# Altium PCB matrix.PcbDoc (part 4 of 5)
Units mm, origin at the board's own origin, x right, y up, seen from the top; angles counter-clockwise.
Board outline 350 x 105 mm, 2 copper layers (Top Layer, Bottom Layer), stack 1.571 mm thick; 187 components, 143 nets, 1443 pads, 602 vias.
Unrouted connection lines stored in the file: 3.
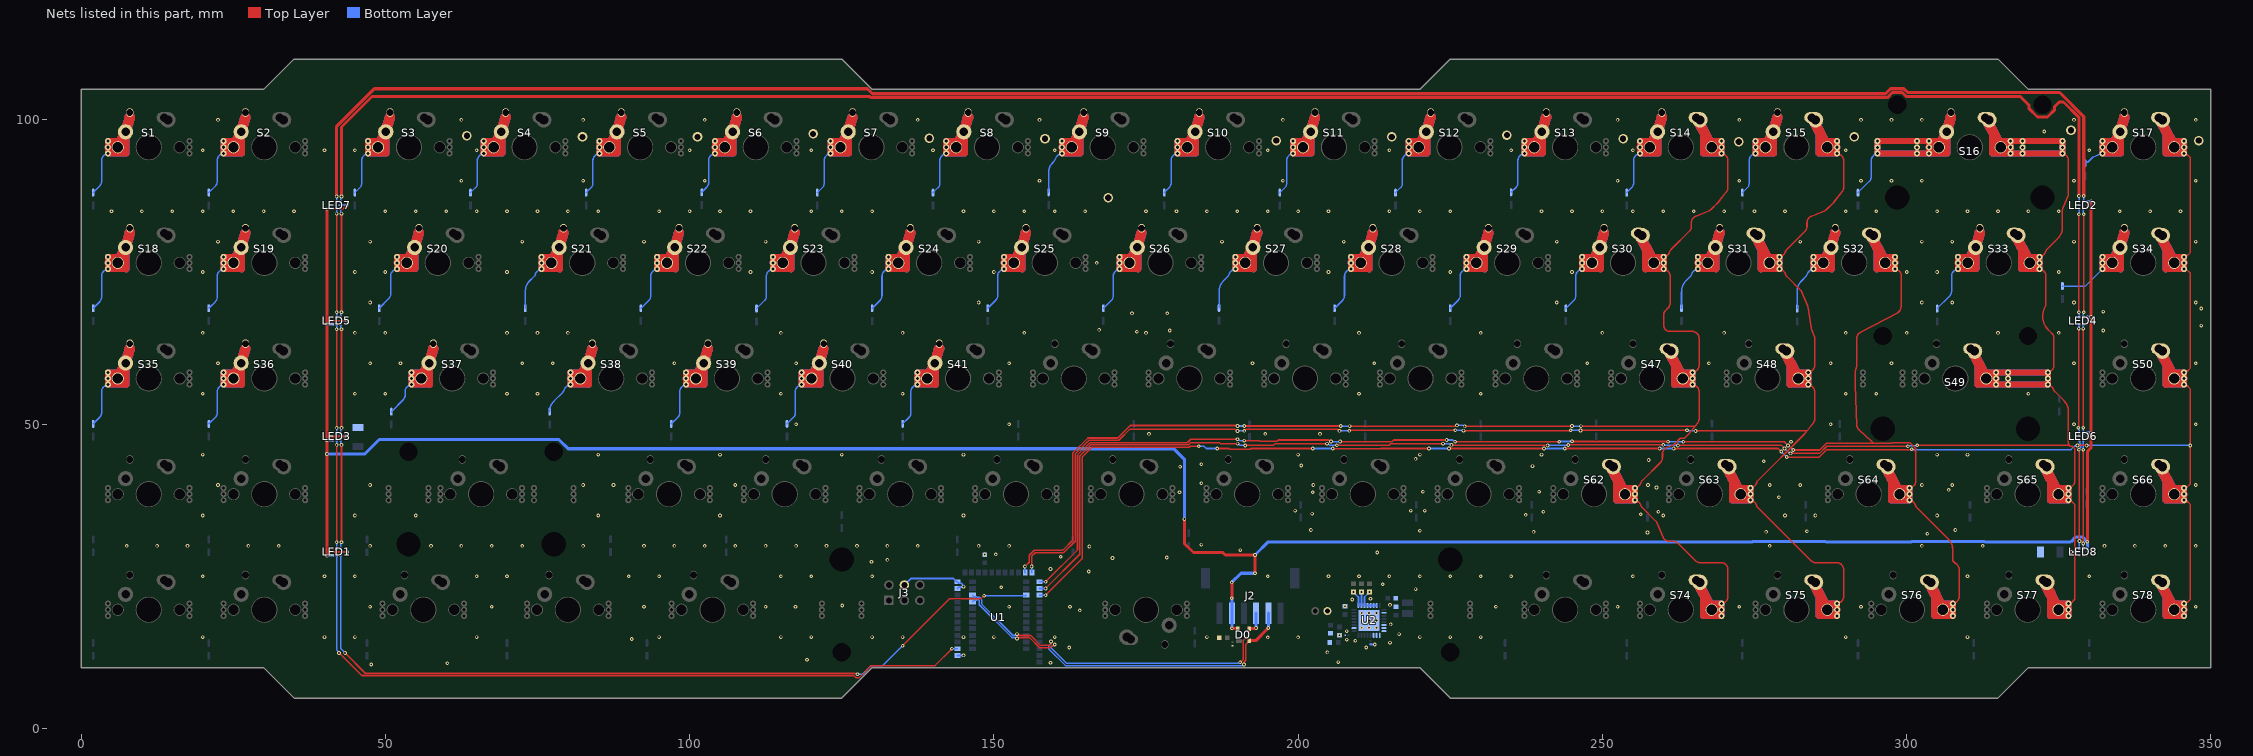
[diagram p4: the nets of this part, all layers, seen from the top]

## Via types
v1: diameter 0.6, hole 0.3, Top Layer to Bottom Layer, tented both sides, 571 vias
v2: diameter 1.57, hole 1.02, Top Layer to Bottom Layer, tented both sides, 15 vias
v3: diameter 0.61, hole 0.305, Top Layer to Bottom Layer, 9 vias
v4: diameter 0.6, hole 0.3, Top Layer to Bottom Layer, 4 vias
v5: diameter 1.27, hole 0.711, Top Layer to Bottom Layer, tented both sides, 3 vias

## Nets (pads, with @x,y where several pads share a name; then routed paths per layer and width w, separated by ;. In a path a pad name is that pad's centre, name@x,y a point inside that pad or via, vN(x,y) a via of type N, cw(c..) or ccw(c..) an arc to the next point about the centre after c; other vN are vias at no path point) (continued)
"Col 13": S14.2 S30.2 S47.2 S62.2 S74.2 U1.22 | length 224.9
  Top Layer w0.254: v1(155.1,26.6) 155.819,27.319 155.819,28.458 156.632,29.27 161.229,29.27 161.376,29.331 161.45,29.405 162.981,30.936 162.981,45.242 165.463,47.724 170.363,47.724 172.42,49.781 189.687,49.781 189.702,49.766 189.98,49.766 v1(190.046,49.7) ; v1(191.154,49.7) v1(207,49.7) ; v1(208.46,49.683) 225.889,49.683 226.006,49.8 v1(226.1,49.8) ; v1(227.36,49.642) 244.942,49.642 v1(245,49.7) ; v1(246.46,49.683) 265.223,49.683 265.231,49.675 ; S62.2@255.325,37.502 255.575,37.406 cw(c255.304,36.702) 255.593,37.399 255.74,37.338 cw(c255.451,36.641) 255.986,37.174 256.096,37.063 cw(c255.564,36.529) 256.261,36.817 256.321,36.67 cw(c255.625,36.382) 256.337,36.63 ccw(c257.281,36.961) 256.572,36.255 258.81,34.018 cw(c258.102,33.31) 259.026,33.695 259.989,31.387 ccw(c260.686,31.676) 260.154,31.142 260.264,31.031 ccw(c260.798,31.563) 260.51,30.867 260.657,30.806 ccw(c260.945,31.502) 260.945,30.748 261.665,30.748 cw(c261.665,29.748) 262.371,30.456 265.278,27.549 ccw(c265.985,28.256) 265.985,27.256 269.554,27.256 cw(c269.554,26.502) 269.843,27.199 269.99,27.138 cw(c269.701,26.441) 270.236,26.974 270.346,26.863 cw(c269.814,26.329) 270.511,26.617 270.571,26.47 cw(c269.875,26.182) 270.629,26.182 270.629,21.623 cw(c269.875,21.623) 270.571,21.334 270.51,21.186 cw(c269.814,21.476) 270.346,20.942 270.236,20.831 cw(c269.701,21.363) 269.99,20.667 269.843,20.606 cw(c269.554,21.302) 269.824,20.598 S74.2@269.575,20.502 ; S62.2@255.325,39.502 255.575,39.599 ccw(c255.304,40.302) S62.2@255.593,39.606 ; S62.2@255.74,39.667 ccw(c255.451,40.363) 255.986,39.831 256.096,39.942 ccw(c255.564,40.476) 256.261,40.187 256.321,40.334 ccw(c255.625,40.623) 256.337,40.375 cw(c257.281,40.044) 256.572,40.749 259.579,43.756 ccw(c258.871,44.463) 259.871,44.463 259.871,45.182 cw(c260.625,45.182) 259.928,45.47 259.989,45.617 cw(c260.686,45.329) 260.154,45.863 260.264,45.974 cw(c260.798,45.441) 260.51,46.138 260.657,46.199 ; S30.2@260.075,75.502 260.325,75.406 cw(c260.054,74.702) 260.343,75.399 260.49,75.338 cw(c260.201,74.641) 260.736,75.174 260.846,75.063 cw(c260.314,74.529) 261.011,74.817 261.071,74.67 cw(c260.375,74.382) 261.129,74.382 261.129,69.823 cw(c260.375,69.823) 261.071,69.534 261.01,69.386 cw(c260.314,69.676) 260.846,69.142 260.736,69.031 cw(c260.201,69.563) 260.735,69.03 260.368,68.663 ccw(c261.075,67.956) 260.075,67.956 260.075,66.256 ccw(c261.075,66.256) 261.075,65.256 264.804,65.256 cw(c264.804,64.502) 265.093,65.199 265.24,65.138 cw(c264.951,64.441) 265.486,64.974 265.596,64.863 cw(c265.064,64.329) 265.761,64.617 265.821,64.47 cw(c265.125,64.182) 265.879,64.182 265.879,59.623 cw(c265.125,59.623) 265.821,59.334 265.76,59.186 cw(c265.064,59.476) 265.596,58.942 265.486,58.831 cw(c264.951,59.363) 265.24,58.667 265.093,58.606 cw(c264.804,59.302) 265.074,58.598 S47.2@264.826,58.503 ; S30.2@260.075,77.502 260.325,77.599 ccw(c260.054,78.302) 260.343,77.606 260.49,77.667 ccw(c260.201,78.363) 260.736,77.831 260.846,77.942 ccw(c260.314,78.476) 261.011,78.187 261.071,78.334 ccw(c260.375,78.623) 261.087,78.375 cw(c262.031,78.044) 261.322,78.749 264.329,81.756 ccw(c263.621,82.463) 264.621,82.463 264.621,83.182 cw(c265.375,83.182) 264.678,83.47 264.739,83.617 cw(c265.436,83.329) 264.904,83.863 265.014,83.974 cw(c265.548,83.441) 265.26,84.138 265.407,84.199 ; 260.657,46.199 261.741,46.648 ; 261.742,46.648 ccw(c261.642,46.882) 261.825,46.706 261.904,46.788 cw(c262.087,46.611) 261.907,46.791 262.791,47.675 263.497,47.675 264.081,48.258 ccw(c262.285,50.054) 264.271,48.471 265.231,49.675 ; S47.2@264.825,56.502 S47.2@265.075,56.406 ; S47.2@265.075,56.406 cw(c264.804,55.702) S47.2@265.093,56.399 ; S47.2@265.24,56.338 cw(c264.951,55.641) 265.486,56.174 265.596,56.063 cw(c265.064,55.529) 265.761,55.817 265.821,55.67 cw(c265.125,55.382) 265.879,55.382 265.879,50.823 cw(c265.125,50.823) 265.821,50.534 265.76,50.386 cw(c265.064,50.676) 265.652,50.204 265.231,49.675 ; 265.407,84.199 267.553,85.088 ccw(c267.17,86.012) 267.876,85.304 268.831,86.258 ccw(c267.035,88.054) 269.021,86.471 270.404,88.206 ccw(c269.814,88.676) 270.51,88.386 270.571,88.534 ccw(c269.875,88.823) 270.629,88.823 270.629,93.382 ccw(c269.875,93.382) 270.571,93.67 270.511,93.817 ccw(c269.814,93.529) 270.346,94.063 270.236,94.174 ccw(c269.701,93.641) 269.99,94.338 269.843,94.399 ccw(c269.554,93.702) 269.825,94.406 S14.2@269.575,94.502
  Bottom Layer w0.254: v1(155.1,26.6) 155.1,25.65 U1.22@155.15,25.6 ; v1(190.046,49.7) v1(191.154,49.7) ; v1(207,49.7) 207.009,49.691 208.451,49.691 v1(208.46,49.683) ; v1(226.1,49.8) 227.108,49.8 227.267,49.642 v1(227.36,49.642) ; v1(245,49.7) 245.009,49.691 246.451,49.691 v1(246.46,49.683)
"Col 14": S15.2 S31.2 S48.2 S63.2 S75.2 U1.23 | length 237.8
  Top Layer w0.254: v1(156.2,26.6) 156.2,28.3 156.789,28.889 161.387,28.889 161.534,28.95 161.607,29.024 163.362,30.779 163.362,45.084 165.621,47.343 170.521,47.343 172.367,49.189 189.646,49.189 189.952,48.883 v1(190.046,48.883) ; v1(191.154,48.9) 191.176,48.9 191.476,49.2 206.478,49.2 206.778,48.9 v1(206.8,48.9) ; v1(208.4,48.9) 208.511,49.011 v1(225.834,49.011) ; v1(227.184,48.936) 244.736,48.936 v1(244.8,49) ; v1(246.396,48.959) 246.417,48.979 263.879,48.979 v1(263.9,49) ; v1(265.313,48.89) 283.604,48.89 283.608,48.894 ; S63.2@274.325,37.502 274.575,37.406 cw(c274.304,36.702) 274.593,37.399 274.74,37.338 cw(c274.451,36.641) 274.986,37.174 275.096,37.063 cw(c274.564,36.529) 275.261,36.817 275.321,36.67 cw(c274.625,36.382) 275.337,36.63 ccw(c276.281,36.961) 275.572,36.255 284.279,27.548 ccw(c284.985,28.256) 284.985,27.256 288.554,27.256 cw(c288.554,26.502) 288.843,27.199 288.99,27.138 cw(c288.701,26.441) 289.236,26.974 289.346,26.863 cw(c288.814,26.329) 289.511,26.617 289.571,26.47 cw(c288.875,26.182) 289.629,26.182 289.629,21.623 cw(c288.875,21.623) 289.571,21.334 289.51,21.186 cw(c288.814,21.476) 289.346,20.942 289.236,20.831 cw(c288.701,21.363) 288.99,20.667 288.843,20.606 cw(c288.554,21.302) 288.824,20.598 S75.2@288.576,20.503 ; S63.2@274.325,39.502 274.575,39.599 ccw(c274.304,40.302) 274.593,39.606 274.74,39.667 ccw(c274.451,40.363) 274.986,39.831 275.096,39.942 ccw(c274.564,40.476) 275.26,40.186 275.321,40.334 ccw(c274.625,40.623) 275.337,40.375 cw(c276.281,40.044) 275.572,40.749 283.079,48.257 ccw(c281.285,50.054) 283.271,48.471 283.608,48.894 ; S31.2@279.075,75.502 279.325,75.406 cw(c279.054,74.702) 279.343,75.399 279.49,75.338 cw(c279.201,74.641) 279.736,75.174 279.846,75.063 cw(c279.314,74.529) 280.011,74.817 280.071,74.67 cw(c279.375,74.382) 280.087,74.63 ccw(c281.031,74.961) 280.322,74.255 282.56,72.017 cw(c281.852,71.31) 282.776,71.693 283.739,69.388 cw(c282.816,69.003) 283.805,69.15 284.304,65.799 ccw(c285.293,65.946) 284.369,65.563 284.76,64.619 cw(c284.064,64.329) 284.761,64.617 284.821,64.47 cw(c284.125,64.182) 284.879,64.182 284.879,59.623 cw(c284.125,59.623) 284.821,59.334 284.76,59.186 cw(c284.064,59.476) 284.596,58.942 284.486,58.831 cw(c283.951,59.363) 284.24,58.667 284.093,58.606 cw(c283.804,59.302) 284.074,58.598 S48.2@283.826,58.503 ; S31.2@279.075,77.502 279.325,77.599 ccw(c279.054,78.302) 279.343,77.606 279.49,77.667 ccw(c279.201,78.363) 279.736,77.831 279.846,77.942 ccw(c279.314,78.476) 280.011,78.187 280.071,78.334 ccw(c279.375,78.623) 280.087,78.375 cw(c281.031,78.044) 280.322,78.749 283.329,81.756 ccw(c282.621,82.463) 283.621,82.463 283.621,83.182 cw(c284.375,83.182) 283.678,83.47 283.739,83.617 cw(c284.436,83.329) 283.904,83.863 284.014,83.974 cw(c284.548,83.441) 284.26,84.138 284.407,84.199 ; S48.2@283.825,56.502 284.075,56.406 cw(c283.804,55.702) 284.093,56.399 284.24,56.338 cw(c283.951,55.641) 284.486,56.174 284.596,56.063 cw(c284.064,55.529) 284.761,55.817 284.821,55.67 cw(c284.125,55.382) 284.879,55.382 284.879,50.823 cw(c284.125,50.823) 284.821,50.534 284.76,50.386 cw(c284.064,50.676) 284.652,50.204 283.608,48.894 ; 284.407,84.199 286.553,85.088 ccw(c286.17,86.012) 286.876,85.304 287.831,86.258 ccw(c286.035,88.054) 288.021,86.471 289.404,88.206 ccw(c288.814,88.676) 289.51,88.386 289.571,88.534 ccw(c288.875,88.823) 289.629,88.823 289.629,93.382 ccw(c288.875,93.382) 289.571,93.67 289.511,93.817 ccw(c288.814,93.529) 289.346,94.063 289.236,94.174 ccw(c288.701,93.641) 288.99,94.338 288.843,94.399 ccw(c288.554,93.702) 288.825,94.406 S15.2@288.575,94.502
  Bottom Layer w0.254: v1(156.2,26.6) 156.2,25.65 U1.23@156.25,25.6 ; v1(190.046,48.883) 190.063,48.9 v1(191.154,48.9) ; v1(206.8,48.9) v1(208.4,48.9) ; v1(225.834,49.011) 225.871,48.973 227.147,48.973 v1(227.184,48.936) ; v1(244.8,49) 244.821,48.979 246.376,48.979 v1(246.396,48.959) ; v1(263.9,49) 263.955,48.945 265.258,48.945 v1(265.313,48.89)
"Col 15": S32.2 S64.2 S76.2 U1.24 | length 226.7
  Top Layer w0.254: v1(158.5,24.1) 163.743,29.343 163.743,44.926 165.779,46.962 181.353,46.962 181.357,46.965 181.791,46.965 182.36,47.534 v1(190.043,47.534) ; v1(191.154,47.3) 193.614,47.3 193.714,47.2 196.535,47.2 196.73,47.396 205.057,47.396 205.306,47.146 v1(205.4,47.146) ; v1(206.903,47.146) 215.467,47.146 215.717,47.396 v1(224.4,47.396) ; v1(225.8,47.108) 225.801,47.109 242.899,47.109 v1(242.9,47.11) ; v1(245,47.2) 245.045,47.155 260.755,47.155 v1(260.8,47.11) ; v1(263.31,47.121) 279.879,47.121 v1(280.5,46.5) ; v1(281.365,45.759) 285.701,45.759 286.81,46.868 294.548,46.868 ; S32.2@298.075,75.502 298.325,75.406 cw(c298.054,74.702) S32.2@298.343,75.399 ; S32.2@298.49,75.338 cw(c298.201,74.641) 298.734,75.176 298.848,75.061 cw(c298.314,74.529) 298.849,75.06 ; 298.849,75.06 299.051,74.858 299.129,74.694 299.129,69.51 299.033,69.056 298.936,68.721 298.535,68.32 292.385,65.108 ccw(c292.733,64.439) 292.2,64.972 292.174,64.945 292.088,64.859 ccw(c292.621,64.326) 291.924,64.615 291.863,64.468 ccw(c292.56,64.179) 291.806,64.179 291.806,59.622 cw(c290.806,59.622) 291.749,59.289 291.618,58.918 ccw(c292.8,58.5) 291.546,58.5 291.546,56.5 ccw(c292.8,56.5) 291.547,56.45 291.807,49.792 ccw(c292.56,49.821) 291.864,49.532 291.925,49.384 ccw(c292.621,49.674) 292.089,49.14 292.201,49.028 ccw(c292.734,49.561) 292.228,49.002 294.211,47.205 294.548,46.868 ; S64.2@300.45,37.502 300.7,37.406 cw(c300.43,36.702) 300.718,37.399 300.865,37.338 cw(c300.577,36.641) 301.111,37.174 301.221,37.063 cw(c300.689,36.529) 301.386,36.817 301.447,36.67 cw(c300.75,36.382) 301.462,36.63 ccw(c302.406,36.961) 301.697,36.255 306.834,31.118 cw(c305.035,29.326) 307.575,29.326 307.575,27.549 307.983,27.141 307.99,27.138 cw(c307.701,26.441) 308.236,26.974 308.346,26.863 cw(c307.814,26.329) 308.511,26.617 308.571,26.47 cw(c307.875,26.182) 308.629,26.182 308.629,21.623 cw(c307.875,21.623) 308.571,21.334 308.51,21.186 cw(c307.814,21.476) 308.346,20.942 308.236,20.831 cw(c307.701,21.363) 307.99,20.667 307.843,20.606 cw(c307.554,21.302) 307.825,20.599 S76.2@307.575,20.502 ; S64.2@300.699,39.598 ccw(c300.43,40.302) S64.2@300.718,39.606 ; S64.2@300.865,39.667 ccw(c300.577,40.363) 301.111,39.831 301.222,39.943 ccw(c300.689,40.476) 301.366,40.143 301.402,40.216 ccw(c300.504,40.657) 301.467,40.385 301.476,40.418 ccw(c300.75,40.623) 301.504,40.621 301.504,45.182 ccw(c300.75,45.182) 301.447,45.47 301.447,46.044 300.553,46.937 297.586,46.937 297.516,46.868 294.548,46.868
  Bottom Layer w0.254: U1.24@157.5,24.1 v1(158.5,24.1) ; v1(190.043,47.534) 190.137,47.534 190.371,47.3 v1(191.154,47.3) ; v1(205.4,47.146) v1(206.903,47.146) ; v1(224.4,47.396) 225.419,47.396 225.706,47.108 v1(225.8,47.108) ; v1(242.9,47.11) 242.945,47.155 244.955,47.155 v1(245,47.2) ; v1(260.8,47.11) 260.805,47.116 263.304,47.116 v1(263.31,47.121) ; v1(280.5,46.5) 280.562,46.5 281.303,45.759 v1(281.365,45.759)
"Col 16": S16.2 S33.2 S49.2 S65.2 S77.2 U1.25 | length 265.3
  Top Layer w0.254: v1(158.5,23) 164.124,28.624 164.124,44.768 165.937,46.581 181.511,46.581 181.514,46.584 181.949,46.584 182.302,46.937 187.087,46.937 187.218,46.807 v1(190.051,46.807) ; v1(191.308,46.5) 195.903,46.5 196.213,46.81 v1(204.755,46.81) ; v1(206.363,46.543) 214.956,46.543 215.178,46.765 223.755,46.765 v1(223.8,46.81) ; v1(225.203,46.598) 225.247,46.554 240.946,46.554 v1(241,46.5) ; v1(244.4,46.586) 244.407,46.593 259.993,46.593 v1(260,46.6) ; v1(262.4,46.5) 279.428,46.5 v1(279.914,46.014) ; v1(280.9,45.2) 285.681,45.2 286.864,46.383 v1(300.2,46.383) ; v1(301.737,46.537) 326.674,46.537 326.831,46.38 ; S33.2@321.825,75.502 322.075,75.406 cw(c321.805,74.702) 322.093,75.399 322.24,75.338 cw(c321.952,74.641) 322.486,75.174 322.596,75.063 cw(c322.064,74.529) 322.761,74.817 322.822,74.67 cw(c322.125,74.382) 322.879,74.382 322.879,69.823 cw(c322.125,69.823) 322.822,69.534 322.602,69.003 ccw(c325.599,67.761) 323.307,65.465 323.799,64.973 cw(c323.267,64.439) 323.8,64.972 323.913,64.859 cw(c323.379,64.326) 324.076,64.615 324.137,64.468 cw(c323.44,64.179) 324.194,64.179 324.194,64.102 cw(c323.44,64.1) 324.194,64.1 324.194,59.622 cw(c323.44,59.622) 324.137,59.334 324.076,59.187 cw(c323.379,59.475) 323.912,58.941 323.801,58.831 cw(c323.267,59.363) 323.584,58.679 S49.2@323.2,58.5 ; S33.2@321.825,77.502 322.075,77.599 ccw(c321.805,78.302) 322.093,77.606 322.24,77.667 ccw(c321.952,78.363) 322.486,77.831 322.596,77.942 ccw(c322.064,78.476) 322.761,78.186 322.822,78.334 ccw(c322.125,78.623) 322.837,78.375 cw(c323.781,78.044) 323.072,78.749 324.83,80.507 ccw(c323.035,82.305) 325.575,82.305 325.575,85.072 cw(c326.575,85.072) 325.651,85.455 326.45,87.383 ccw(c325.754,87.674) 326.451,87.385 326.512,87.532 ccw(c325.815,87.821) 326.569,87.821 326.57,93.302 326.57,93.382 ccw(c325.816,93.382) 326.512,93.67 326.451,93.817 ccw(c325.755,93.529) 326.287,94.063 326.176,94.173 ccw(c325.642,93.641) 325.951,94.329 S16.2@325.575,94.5 ; S49.2@323.2,56.5 323.579,56.327 cw(c323.267,55.641) 323.801,56.173 323.912,56.063 cw(c323.379,55.529) 324.076,55.817 324.137,55.67 ccw(c325.06,56.054) 324.351,55.349 325.832,53.869 cw(c324.035,52.073) 326.575,52.073 326.575,47.049 ccw(c327.575,47.049) 326.831,46.38 ; S65.2@326.575,37.502 326.825,37.406 cw(c326.554,36.702) 326.843,37.399 327.01,37.399 327.629,36.78 327.629,21.224 327.071,20.667 S77.2@326.99,20.667 ; S65.2@326.824,39.598 ccw(c326.554,40.302) S65.2@326.843,39.606 ; S65.2@326.99,39.667 ccw(c326.701,40.363) 327.236,39.831 327.346,39.942 ccw(c326.814,40.476) 327.51,40.186 327.571,40.334 ccw(c326.875,40.623) 327.629,40.623 327.629,46.002 327.251,46.38 326.831,46.38
  Bottom Layer w0.254: U1.25@157.5,23 v1(158.5,23) ; v1(190.051,46.807) 190.145,46.807 190.452,46.5 v1(191.308,46.5) ; v1(204.755,46.81) 204.849,46.81 205.103,46.556 206.349,46.556 v1(206.363,46.543) ; v1(223.8,46.81) 224.897,46.81 225.11,46.598 v1(225.203,46.598) ; v1(241,46.5) 241.056,46.556 244.37,46.556 v1(244.4,46.586) ; v1(260,46.6) 260.044,46.556 262.344,46.556 v1(262.4,46.5) ; v1(279.914,46.014) 280.662,45.266 280.834,45.266 v1(280.9,45.2) ; v1(300.2,46.383) 300.236,46.419 301.526,46.419 301.643,46.537 v1(301.737,46.537)
"Col 17": S17.2 S34.2 S50.2 S66.2 S78.2 U1.26 | length 282
  Top Layer w0.254: v1(158.5,21.9) 164.505,27.905 164.505,44.611 166.094,46.2 182.104,46.2 182.287,46.383 v1(183.676,46.383) ; v1(186.7,46.002) v1(186.7,46.002) 188.717,46.001 188.846,45.872 192.125,45.872 192.255,46.001 202.399,46.001 v1(202.4,46) ; v1(205.7,46.002) 205.714,45.989 213.594,45.989 213.606,46.001 221.499,46.001 v1(221.5,46) ; v1(224.786,46.002) 224.787,46.001 240.399,46.001 v1(240.4,46) ; v1(243.8,46.002) 259.398,46.002 v1(259.4,46) ; v1(261.7,46.002) 261.756,45.946 262.629,45.946 262.686,46.002 278.898,46.002 v1(279.4,45.5) ; v1(280.3,44.6) 285.62,44.6 286.849,45.829 300.806,45.829 v1(300.842,45.865) ; v1(328.065,46.5) 329.5,46.5 329.501,46.499 v1(329.567,46.499) ; S66.2@345.575,37.502 345.825,37.406 cw(c345.554,36.702) 345.843,37.399 346.01,37.399 346.629,36.78 346.629,21.224 346.071,20.667 S78.2@345.99,20.667 ; S50.2@345.575,56.502 345.825,56.406 cw(c345.554,55.702) 345.843,56.399 346.01,56.399 346.629,55.78 346.629,40.224 346.071,39.667 S66.2@345.99,39.667 ; S34.2@345.575,75.502 345.907,75.502 346.629,74.78 346.629,59.224 346.003,58.598 S50.2@345.824,58.598 ; S17.2@345.575,94.502 345.825,94.406 cw(c345.554,93.702) 345.843,94.399 346.01,94.399 346.629,93.78 346.629,78.224 346.071,77.667 S34.2@345.99,77.667
  Bottom Layer w0.254: U1.26@157.5,21.9 v1(158.5,21.9) ; v1(183.676,46.383) 184.527,46.383 184.908,46.002 v1(186.7,46.002) ; v1(202.4,46) 202.401,46.001 v1(205.7,46.002) v1(205.7,46.002) ; v1(221.5,46) 221.501,46.001 v1(224.786,46.002) v1(224.786,46.002) ; v1(240.4,46) 240.454,45.946 241.229,45.946 241.285,46.001 v1(243.8,46.002) v1(243.8,46.002) ; v1(259.4,46) 259.401,46.001 v1(261.7,46.002) v1(261.7,46.002) ; v1(279.4,45.5) v1(280.3,44.6) ; v1(300.842,45.865) 300.874,45.833 301.968,45.833 301.971,45.829 327.018,45.829 327.021,45.826 327.629,46.434 327.999,46.434 v1(328.065,46.5) ; v1(329.567,46.499) v1@346.599,46.499
  other v1: 346.6,46.5
D_N: D0.3 J2.4 U1.44 | length 60.6
  Top Layer w0.254: v1(153.8,14.773) 153.894,14.773 154.067,14.946 155.842,14.946 157.526,13.262 159.257,13.262 159.617,13.622 159.728,13.622 159.906,13.8 v1(160,13.8) ; v1(190.472,10.881) 190.524,10.881 191.004,11.361 191.004,14.5 191.95,15.446 D0.3@191.95,16.4
  Top Layer w0.508: D0.3@191.95,16.4 192.975,16.4 193.075,16.5 v1(193.1,16.5)
  Bottom Layer w0.254: U1.44@146.5,20.8 146.773,21.073 147.156,21.073 147.243,21.159 147.453,21.159 147.602,21.011 147.602,20.309 152.965,14.946 153.533,14.946 153.706,14.773 v1(153.8,14.773) ; v1(160,13.8) 159.906,13.8 159.728,13.622 159.617,13.622 159.419,13.424 159.419,13.213 161.924,10.708 190.205,10.708 190.378,10.881 v1(190.472,10.881)
  Bottom Layer w0.508: v1(193.1,16.5) J2.4@193.1,18.925
D_P: D0.2 J2.5 U1.45 | length 62.5
  Top Layer w0.254: v1(153.8,15.5) 153.894,15.5 154.067,15.327 156,15.327 157.684,13.643 159.099,13.643 159.335,13.879 159.335,14.232 v1(159.401,14.299) ; v1(191.1,10.5) 191.149,10.549 191.149,10.967 191.385,11.204 191.385,13.785 191.81,14.21 D0.2@191.918,14.21
  Top Layer w0.508: D0.2@191.996,14.4 191.996,14.437 193.037,14.437 v1(195.1,16.5)
  Bottom Layer w0.254: U1.45@146.5,21.9 146.773,21.627 147.156,21.627 147.243,21.54 147.611,21.54 147.983,21.169 147.983,20.467 153.123,15.327 153.533,15.327 153.706,15.5 v1(153.8,15.5) ; v1(159.401,14.299) 159.335,14.232 159.335,13.879 159.038,13.582 159.038,13.056 161.766,10.327 190.833,10.327 191.006,10.5 v1(191.1,10.5)
  Bottom Layer w0.508: v1(195.1,16.5) J2.5@195.1,18.925
GND: C1.1 C2.1 C4.1 C5.1 C6.1 C7.1 C9.2 C10.1 C11.1 C12.1 C13.1 C14.1 D0.4 J1.2 J2.2 J3.4 LED1.5_1 LED1.5_2 LED2.5_1 LED2.5_2 LED3.5_1 LED3.5_2 LED4.5_1 LED4.5_2 LED5.5_1 LED5.5_2 LED6.5_1 LED6.5_2 LED7.5_1 LED7.5_2 LED8.5_1 LED8.5_2 R1.1 U1.1 U1.11 U1.12 U2.2 U2.6 U2.18 U2.28 U2.29 U2.30 U2.31 U2.33 | length 478.2
  Top Layer w0.3: 40.4,29 v1(43.7,29) ; 40.4,48 v1(43.6,48) ; 40.4,67 v1(43.7,67) ; v1(40.4,85.4) 43.1,85.4 v1(43.7,86)
  Top Layer w0.508: v1(40.4,28.4) 40.4,29 v1(40.4,45.1) v1(40.4,47.4) 40.4,48 v1(40.4,66.4) 40.4,67 v1(40.4,85.4) ; v1(181.3,34.4) 181.3,30.4 182.8,28.9 187.638,28.9 188.038,28.5 v1(192.9,28.5) v1(192.9,25.5) ; v1(189.1,21.4) v1(189.1,24) ; v1(189.118,16.465) 189.135,16.447 190.004,16.447 D0.4@190.05,16.4 ; v1(329.681,30.682) 329.681,45.491 330.3,46.11 v1(330.3,48.6) v1(330.3,67.6) v1(330.3,86.6)
  Bottom Layer w0.3: LED1.5_1@42.575,29 v1(43.7,29) ; LED3.5_1@42.575,48 v1(43.6,48) ; LED5.5_1@42.575,67 v1(43.7,67) ; LED7.5_1@42.575,86 v1(43.7,86) ; J3.4@135.3,23.57 136.362,24.632 143.368,24.632 143.9,24.1 U1.12@144,24.1 144.25,23.85 144.62,23.85 145,23.47 v1(145,23.3) 144.943,23.243 144.243,23.243 U1.11@144,23 ; U1.1@144,12 v1(145,12) ; U2.28@211.4,20.2 U2.29@211.9,20.2 U2.30@212.4,20.2 U2.31@212.9,20.2 ; C9.2@211.9,13.815 212.585,13.815 v1(212.6,13.8) ; v1(327,29) LED8.5_1@328.425,29
  Bottom Layer w0.508: v1(40.4,28.4) 40.415,28.415 LED1.5_2@41.36,28.415 ; v1(40.4,45.1) 46.626,45.1 49.015,47.489 78.518,47.489 80.05,45.956 179.579,45.956 181.3,44.235 v1(181.3,34.4) ; v1(40.4,47.4) 40.415,47.415 LED3.5_2@41.36,47.415 ; v1(40.4,66.4) 40.415,66.415 LED5.5_2@41.36,66.415 ; v1(40.4,85.4) 40.415,85.415 LED7.5_2@41.36,85.415 ; v1(189.1,21.4) J2.2@189.1,18.925 189.109,18.916 189.109,16.473 v1(189.118,16.465) ; v1(189.1,24) 190.6,25.5 v1(192.9,25.5) ; v1(192.9,28.5) 195.067,30.667 274.65,30.667 274.683,30.7 286.692,30.7 286.725,30.667 300.776,30.667 300.808,30.7 312.817,30.7 312.849,30.667 326.9,30.667 327.019,30.7 327.803,31.484 328.879,31.484 v1(329.681,30.682) 329.681,29.626 LED8.5_2@329.64,29.585 ; LED6.5_2@329.64,48.585 330.285,48.585 v1(330.3,48.6) ; LED4.5_2@329.64,67.585 330.285,67.585 v1(330.3,67.6) ; LED2.5_2@329.64,86.585 330.285,86.585 v1(330.3,86.6)
  other v1: 47.7,10.5 60.2,10.7 159.3,10.8 206.6,10.9 119.3,11.3 204.8,12.5 162.4,13.3 211.2,13.3 215.1,14.1 209.4,14.4 208,14.6 90.5,14.7 195,14.965 200,14.965 20,15 40,15 45,15 65,15 95,15 115,15 120,15 130,15 135,15 145,15 150,15 160,15 185,15 220,15 225,15 230,15 290,15 310,15 206.8,15.325 216.6,15.5 208,16 215.2,17.1 164.1,19.4 47.5,20 67.5,20 92.5,20 112.5,20 117.4,20 152.5,20 162.5,20 232.5,20 252.5,20 272.5,20 292.5,20 347.5,20 125.1,20.2 215.1,20.3 208.9,21.2 211.9,21.3 219.3,22.9 151.2,23.2 213.9,23.7 20,25 40,25 45,25 65,25 70,25 90,25 95,25 115,25 120,25 130,25 195,25 205,25 210,25 215,25 220,25 225,25 230,25 235,25 255,25 310,25 330,25 165.6,25.8 159.3,26.2 129.9,27.4 132.5,27.7 169.5,28 178.4,28.1 161,28.219 148.5,28.575 150.3,28.6 213,28.9 190.5,29.3 165.7,29.9 7.5,30 12.5,30 17.5,30 27.5,30 32.5,30 47.5,30 57.5,30 62.5,30 67.5,30 72.5,30 82.5,30 92.5,30 97.5,30 102.5,30 107.5,30 112.5,30 117.5,30 122.5,30 127.5,30 132.5,30 137.5,30 147.5,30 152.5,30 277.5,30 302.5,30 312.5,30 332.5,30 337.5,30 342.5,30 347.5,30 184.1,30.2 303.4,32 257.4,32.2 238.7,32.3 276.9,32.3 283.6,32.4 220,32.5 202.1,32.6 308,32.6 20,35 45,35 55,35 85,35 105,35 145,35 260,35 280,35 285,35 305,35 237.4,35.1 256.3,35.2 202.3,35.3 240.3,35.6 259.2,35.6 199.5,35.8 218.5,35.8 220.8,35.8 279,38 180.5,38.8 202.4,38.8 220.5,38.9 239.6,38.9 306.9,39.2 258.9,39.6 22.5,40 47.5,40 82.5,40 87.5,40 107.5,40 202.5,40 257.5,40 277.5,40 282.5,40 302.5,40 307.5,40 347.5,40 184.1,40.3 180.6,43 238.5,43.1 200.5,43.2 184.1,43.4 276.5,43.9 257.6,44.1 219.3,44.3 20,45 85,45 105,45 125,45 145,45 200,45 220,45 240,45 305,45 310,45 281,47.1 175.5,48.4 194.6,48.4 203.6,48.4 117.5,50 152.5,50 287.5,50 327.5,50 347.5,50 20,55 45,55 50,55 70,55 75,55 115,55 135,55 210,55 230,55 290,55 295,55 320,55 22.5,60 47.5,60 52.5,60 72.5,60 77.5,60 97.5,60 117.5,60 152.5,60 192.5,60 212.5,60 247.5,60 267.5,60 287.5,60 297.5,60 327.5,60 347.5,60 20,65 45,65 50,65 70,65 75,65 80,65 115,65 135,65 155,65 175,65 210,65 230,65 250,65 270,65 290,65 300,65 315,65 325,65 173.5,65.2 178.9,65.4 332.3,65.4 167.3,65.5 348.4,66.2 172.7,68.2 178.5,68.2 332.3,68.5 348.4,69 47.5,70 147.5,70 242.5,70 302.5,70 307.5,70 327.5,70 347.5,70 20,75 45,75 50,75 70,75 110,75 130,75 150,75 205,75 225,75 245,75 300,75 305,75 325,75 166.9,76.5 22.5,80 47.5,80 72.5,80 92.5,80 112.5,80 147.5,80 187.5,80 207.5,80 242.5,80 282.5,80 302.5,80 307.5,80 327.5,80 347.5,80 5,85 10,85 15,85 20,85 25,85 30,85 35,85 50,85 55,85 60,85 65,85 70,85 75,85 80,85 85,85 95,85 100,85 105,85 110,85 120,85 125,85 130,85 145,85 150,85 155,85 160,85 165,85 175,85 180,85 185,85 190,85 195,85 200,85 205,85 215,85 220,85 225,85 240,85 245,85 250,85 255,85 260,85 265,85 270,85 275,85 280,85 290,85 295,85 305,85 310,85 315,85 320,85 325,85 335,85 340,85 345,85 62.5,90 82.5,90 102.5,90 157.5,90 197.5,90 252.5,90 272.5,90 292.5,90 297.5,90 302.5,90 327.5,90 347.5,90 20,95 40,95 45,95 65,95 100,95 120,95 140,95 160,95 195,95 215,95 235,95 255,95 290,95 330,95 322.6,98.1 22.5,100 62.5,100 82.5,100 102.5,100 137.5,100 157.5,100 197.5,100 252.5,100 272.5,100 292.5,100 297.5,100 302.5,100 327.5,100 347.5,100
  other v2: 168.8,87.2 272.4,96.4 196.4,96.6 348,96.6 158.4,96.9 253.4,96.9 139.4,97 82.4,97.2 101.3,97.2 215.4,97.2 291.4,97.2 63.4,97.4 234.3,97.5 120.3,97.7 327,98.3
  other v3: 210.45,16.55 211.65,16.55 212.85,16.55 210.45,17.75 211.65,17.75 212.85,17.75 210.45,18.95 211.65,18.95 212.85,18.95
  other v4: 207.7,20.075
GPIO0: U2.7
GPIO1: U2.8
GPIO2: U2.9
GPIO3: U2.10
GPIO4: U2.11
LED0: G.2 U2.25 | length 2.5
  Bottom Layer w0.3: v4(209.1,22.4) 209.9,21.6 U2.25@209.9,20.2
LED1: R.2 U2.26 | length 2.2
  Bottom Layer w0.3: U2.26@210.4,20.2 210.4,21.368 v4(210.4,22.4)
LED2: B.2 U2.27 | length 2.5
  Bottom Layer w0.3: U2.27@210.9,20.2 210.9,21.6 v4(211.7,22.4)
LED_MOSI: LED1.6 U1.50 | length 135.2
  Top Layer w0.254: v1(43.4,12.4) 46.719,9.081 127.158,9.081 127.265,8.974 127.534,8.974 v1(127.6,8.908) ; v1(135,13.6) 142.745,21.345 147.892,21.345 148.347,21.8 v1(148.4,21.8)
  Bottom Layer w0.254: LED1.6@42.698,28.49 42.64,28.432 LED1.6@42.64,28.415 42.64,13.16 v1(43.4,12.4) ; v1(127.6,8.908) 128.446,8.908 129.865,10.327 131.727,10.327 v1(135,13.6) ; v1(148.4,21.8) 155.2,21.8 U1.50@155.3,21.9
LED_MOSI2: LED1.4 LED3.6 | length 18
  Top Layer w0.254: v1(42.8,30.6) v1(42.8,46.6)
  Bottom Layer w0.254: LED1.4@42.64,29.585 42.64,30.346 42.8,30.506 v1(42.8,30.6) ; LED3.6@42.64,47.415 42.64,46.854 42.8,46.694 v1(42.8,46.6)
LED_MOSI3: LED3.4 LED5.6 | length 18
  Top Layer w0.254: v1(42.8,49.396) v1(42.8,65.6)
  Bottom Layer w0.254: LED3.4@42.64,48.585 42.64,49.142 42.8,49.302 v1(42.8,49.396) ; LED5.6@42.64,66.415 42.64,65.854 42.8,65.694 v1(42.8,65.6)
LED_MOSI4: LED5.4 LED7.6 | length 18
  Top Layer w0.254: v1(42.8,68.4) v1(42.8,84.6)
  Bottom Layer w0.254: LED5.4@42.64,67.585 42.64,68.146 42.8,68.306 v1(42.8,68.4) ; LED7.6@42.64,85.415 42.64,84.854 42.8,84.694 v1(42.8,84.6)
LED_MOSI5: LED2.6 LED7.4 | length 318.6
  Top Layer w0.508: v1(42.8,87.4) 42.8,98.835 47.819,103.854 129.606,103.854 129.795,103.665 296.783,103.665 297.607,104.489 299.267,104.489 299.902,103.854 318.669,103.854 320.069,102.453 320.069,101.895 321.483,100.481 323.143,100.481 324.317,101.655 324.317,102.209 325.062,102.954 325.769,102.954 328.3,100.423 v1(328.3,87.5)
  Bottom Layer w0.254: LED7.4@42.64,86.585 42.64,87.146 42.8,87.306 v1(42.8,87.4) ; v1(328.3,87.5) 328.36,87.44 LED2.6@328.36,86.585
LED_MOSI6: LED2.4 LED4.6 | length 17.9
  Top Layer w0.254: v1(328.3,68.4) v1(328.3,84.5)
  Bottom Layer w0.254: v1(328.3,68.4) 328.33,68.37 328.33,67.615 LED4.6@328.36,67.585 ; v1(328.3,84.5) 328.33,84.53 328.33,85.385 LED2.4@328.36,85.415
LED_MOSI7: LED4.4 LED6.6 | length 18
  Top Layer w0.254: v1(328.2,49.4) 328.266,49.466 328.266,49.711 328.273,49.718 v1(328.273,65.7)
  Bottom Layer w0.254: v1(328.2,49.4) 328.2,49.306 328.36,49.146 LED6.6@328.36,48.585 ; v1(328.273,65.7) 328.316,65.743 328.316,66.372 LED4.4@328.36,66.415
LED_MOSI8: LED6.4 LED8.6 | length 18.1
  Top Layer w0.254: v1(328.3,45.8) 328.348,45.752 328.348,30.851 v1(328.395,30.803)
  Bottom Layer w0.254: v1(328.3,45.8) 328.3,45.894 328.619,46.213 328.619,46.729 328.418,46.93 328.418,47.357 LED6.4@328.36,47.415 ; LED8.6@328.36,29.585 328.378,29.603 328.378,30.786 v1(328.395,30.803)
LED_SCK: LED1.3 U1.2 | length 121.5
  Top Layer w0.254: v1(42.4,12.4) 42.417,12.4 46.117,8.7 127,8.7 127.4,8.3 127.838,8.3 129.865,10.327 140.327,10.327 v1(143.1,13.1)
  Bottom Layer w0.254: LED1.3@42,28.441 LED1.3@42,28.415 42,12.894 42.4,12.494 v1(42.4,12.4) ; v1(143.1,13.1) U1.2@144,13.1
LED_SCK2: LED1.1 LED3.3 | length 17.8
  Top Layer w0.254: v1(42,30.6) v1(42,46.6)
  Bottom Layer w0.254: LED1.1@42,29.585 v1(42,30.6) ; v1(42,46.6) LED3.3@42,47.415
LED_SCK3: LED3.1 LED5.3 | length 17.8
  Top Layer w0.254: v1(42,49.396) v1(42,65.6)
  Bottom Layer w0.254: LED3.1@42,48.585 v1(42,49.396) ; v1(42,65.6) LED5.3@42,66.415
LED_SCK4: LED5.1 LED7.3 | length 17.8
  Top Layer w0.254: v1(42,68.4) v1(42,84.6)
  Bottom Layer w0.254: LED5.1@42,67.585 v1(42,68.4) ; v1(42,84.6) LED7.3@42,85.415
LED_SCK5: LED2.3 LED7.1 | length 318.6
  Top Layer w0.508: v1(42,87.4) 42,98.933 48.191,105.124 129.234,105.124 130.058,104.3 296.52,104.3 297.344,105.124 299.53,105.124 300.165,104.489 325.132,104.489 329.1,100.521 v1(329.1,87.5)
  Bottom Layer w0.254: LED7.1@42,86.585 v1(42,87.4) ; LED2.3@329,86.585 329.058,86.643 329.058,86.815 329.1,86.857 v1(329.1,87.5)
LED_SCK6: LED2.1 LED4.3 | length 17.9
  Top Layer w0.254: v1(329.1,68.4) v1(329.1,84.5)
  Bottom Layer w0.254: LED4.3@329,67.585 329.05,67.635 329.05,68.35 v1(329.1,68.4) ; LED2.1@329,85.415 329.05,85.365 329.05,84.55 v1(329.1,84.5)
LED_SCK7: LED4.1 LED6.3 | length 17.8
  Top Layer w0.254: v1(329,49.4) v1(329,65.7)
  Bottom Layer w0.254: LED6.3@329,48.585 v1(329,49.4) ; v1(329,65.7) LED4.1@329,66.415
LED_SCK8: LED6.1 LED8.3 | length 17.9
  Top Layer w0.254: v1(329,30.4) 329.013,30.414 329.013,45.786 v1(329.027,45.8)
  Bottom Layer w0.254: LED8.3@329,29.585 v1(329,30.4) ; LED6.1@329,47.415 329.013,47.401 329.013,45.814 v1(329.027,45.8)
NetD1_2: D1.2 S1.1 | length 7.5
  Bottom Layer w0.254: D1.2@2,88.05 3.079,89.129 ccw(c2.371,89.835) 3.371,89.835 3.371,93.382 cw(c4.125,93.382) 3.428,93.67 3.489,93.817 cw(c4.186,93.529) 3.654,94.063 3.764,94.174 cw(c4.298,93.641) 4.009,94.338 4.157,94.399 cw(c4.445,93.702) 4.176,94.407 S1.1@4.424,94.502
NetD2_2: D2.2 S2.1 | length 7.5
  Bottom Layer w0.254: D2.2@21,88.05 22.079,89.129 ccw(c21.371,89.835) 22.371,89.835 22.371,93.382 cw(c23.125,93.382) 22.428,93.67 22.489,93.817 cw(c23.186,93.529) 22.654,94.063 22.764,94.174 cw(c23.298,93.641) 23.009,94.338 23.157,94.399 cw(c23.445,93.702) 23.176,94.407 S2.1@23.424,94.502
NetD3_2: D3.2 S3.1 | length 7.4
  Bottom Layer w0.254: D3.2@45,88.05 45.829,88.879 ccw(c45.121,89.585) 46.121,89.585 46.121,93.382 cw(c46.875,93.382) 46.178,93.67 46.239,93.817 cw(c46.936,93.529) 46.404,94.063 46.514,94.174 cw(c47.048,93.641) 46.759,94.338 46.907,94.399 cw(c47.195,93.702) 46.926,94.407 S3.1@47.174,94.502
NetD4_2: D4.2 S4.1 | length 7.4
  Bottom Layer w0.254: D4.2@64,88.05 64.829,88.879 ccw(c64.121,89.585) 65.121,89.585 65.121,93.382 cw(c65.875,93.382) 65.178,93.67 65.239,93.817 cw(c65.936,93.529) 65.404,94.063 65.514,94.174 cw(c66.048,93.641) 65.759,94.338 65.907,94.399 cw(c66.195,93.702) 65.926,94.407 S4.1@66.174,94.502
NetD5_2: D5.2 S5.1 | length 7.4
  Bottom Layer w0.254: D5.2@83,88.05 83.829,88.879 ccw(c83.121,89.585) 84.121,89.585 84.121,93.382 cw(c84.875,93.382) 84.178,93.67 84.239,93.817 cw(c84.936,93.529) 84.404,94.063 84.514,94.174 cw(c85.048,93.641) 84.759,94.338 84.907,94.399 cw(c85.195,93.702) 84.926,94.407 S5.1@85.174,94.502
NetD6_2: D6.2 S6.1 | length 7.4
  Bottom Layer w0.254: D6.2@102,88.101 102.829,88.929 ccw(c102.121,89.636) 103.121,89.636 103.121,93.382 cw(c103.875,93.382) 103.178,93.67 103.239,93.817 cw(c103.936,93.529) 103.404,94.063 103.514,94.174 cw(c104.048,93.641) 103.759,94.338 103.907,94.399 cw(c104.195,93.702) 103.926,94.407 S6.1@104.174,94.502
NetD7_2: D7.2 S7.1 | length 7.4
  Bottom Layer w0.254: D7.2@121,88.05 121.829,88.879 ccw(c121.121,89.585) 122.121,89.585 122.121,93.382 cw(c122.875,93.382) 122.178,93.67 122.239,93.817 cw(c122.936,93.529) 122.404,94.063 122.514,94.174 cw(c123.048,93.641) 122.759,94.338 122.907,94.399 cw(c123.195,93.702) 122.926,94.407 S7.1@123.174,94.502
NetD8_2: D8.2 S8.1 | length 7.4
  Bottom Layer w0.254: D8.2@140,88.05 140.829,88.879 ccw(c140.121,89.585) 141.121,89.585 141.121,93.382 cw(c141.875,93.382) 141.178,93.67 141.239,93.817 cw(c141.936,93.529) 141.404,94.063 141.514,94.174 cw(c142.048,93.641) 141.759,94.338 141.907,94.399 cw(c142.195,93.702) 141.926,94.407 S8.1@142.174,94.502
NetD9_2: D9.2 S9.1 | length 7.3
  Bottom Layer w0.254: D9.2@159,88.101 159,91.275 cw(c161.54,91.275) 159.744,93.071 159.747,93.074 ccw(c159.038,93.779) 159.893,93.262 160.29,93.919 cw(c160.936,93.529) 160.404,94.063 160.514,94.174 cw(c161.048,93.641) 160.759,94.338 160.907,94.399 cw(c161.195,93.702) 160.925,94.406 S9.1@161.175,94.502
NetD10_2: D10.2 S10.1 | length 7.4
  Bottom Layer w0.254: D10.2@178,88.05 178.829,88.879 ccw(c178.121,89.585) 179.121,89.585 179.121,93.382 cw(c179.875,93.382) 179.178,93.67 179.239,93.817 cw(c179.936,93.529) 179.404,94.063 179.514,94.174 cw(c180.048,93.641) 179.759,94.338 179.907,94.399 cw(c180.195,93.702) 179.926,94.407 S10.1@180.174,94.502
NetD11_2: D11.2 S11.1 | length 7.4
  Bottom Layer w0.254: D11.2@197,88.05 197.829,88.879 ccw(c197.121,89.585) 198.121,89.585 198.121,93.382 cw(c198.875,93.382) 198.178,93.67 198.239,93.817 cw(c198.936,93.529) 198.404,94.063 198.514,94.174 cw(c199.048,93.641) 198.759,94.338 198.907,94.399 cw(c199.195,93.702) 198.926,94.407 S11.1@199.174,94.502
NetD12_2: D12.2 S12.1 | length 7.4
  Bottom Layer w0.254: D12.2@216,88.05 216.829,88.879 ccw(c216.121,89.585) 217.121,89.585 217.121,93.382 cw(c217.875,93.382) 217.178,93.67 217.239,93.817 cw(c217.936,93.529) 217.404,94.063 217.514,94.174 cw(c218.048,93.641) 217.759,94.338 217.907,94.399 cw(c218.195,93.702) 217.926,94.407 S12.1@218.174,94.502
NetD13_2: D13.2 S13.1 | length 7.4
  Bottom Layer w0.254: D13.2@235,88.101 235.829,88.929 ccw(c235.121,89.636) 236.121,89.636 236.121,93.382 cw(c236.875,93.382) 236.178,93.67 236.239,93.817 cw(c236.936,93.529) 236.404,94.063 236.514,94.174 cw(c237.048,93.641) 236.759,94.338 236.907,94.399 cw(c237.195,93.702) 236.926,94.407 S13.1@237.174,94.502
NetD14_2: D14.2 S14.1 | length 7.4
  Bottom Layer w0.254: D14.2@254,88.05 254.829,88.879 ccw(c254.121,89.585) 255.121,89.585 255.121,93.382 cw(c255.875,93.382) 255.178,93.67 255.239,93.817 cw(c255.936,93.529) 255.404,94.063 255.514,94.174 cw(c256.048,93.641) 255.759,94.338 255.907,94.399 cw(c256.195,93.702) 255.926,94.407 S14.1@256.174,94.502
NetD15_2: D15.2 S15.1 | length 7.4
  Bottom Layer w0.254: D15.2@273,88.05 273.829,88.879 ccw(c273.121,89.585) 274.121,89.585 274.121,93.382 cw(c274.875,93.382) 274.178,93.67 274.239,93.817 cw(c274.936,93.529) 274.404,94.063 274.514,94.174 cw(c275.048,93.641) 274.759,94.338 274.907,94.399 cw(c275.195,93.702) 274.926,94.407 S15.1@275.174,94.502
NetD16_2: D16.2 S16.1 | length 7.8
  Bottom Layer w0.254: D16.2@292,88.05 293.889,89.94 ccw(c293.182,90.646) 294.182,90.646 294.181,93.3 cw(c294.935,93.302) 294.181,93.302 294.181,93.382 cw(c294.935,93.382) 294.239,93.67 294.3,93.817 cw(c294.996,93.529) 294.464,94.063 294.575,94.173 cw(c295.109,93.641) 294.796,94.327 S16.1@295.174,94.5
NetD17_2: D17.2 S17.1 | length 3.7
  Bottom Layer w0.254: D17.2@329.339,92.639 329.339,93.005 329.382,93.048 329.748,93.048 330.492,93.792 330.574,93.847 331.907,94.399 cw(c332.195,93.702) 331.926,94.407 S17.1@332.174,94.502
NetD18_2: D18.2 S18.1 | length 7.5
  Bottom Layer w0.254: D18.2@2,69.05 3.079,70.129 ccw(c2.371,70.835) 3.371,70.835 3.371,74.382 cw(c4.125,74.382) 3.428,74.67 3.489,74.817 cw(c4.186,74.529) 3.654,75.063 3.764,75.174 cw(c4.298,74.641) 4.009,75.338 4.157,75.399 cw(c4.445,74.702) 4.176,75.407 S18.1@4.425,75.502
NetD19_2: D19.2 S19.1 | length 7.5
  Bottom Layer w0.254: D19.2@21,69.05 22.079,70.129 ccw(c21.371,70.835) 22.371,70.835 22.371,74.382 cw(c23.125,74.382) 22.428,74.67 22.489,74.817 cw(c23.186,74.529) 22.654,75.063 22.764,75.174 cw(c23.298,74.641) 23.009,75.338 23.157,75.399 cw(c23.445,74.702) 23.176,75.407 S19.1@23.425,75.502
NetD20_2: D20.2 S20.1 | length 7.7
  Bottom Layer w0.254: D20.2@49,69.05 50.579,70.629 ccw(c49.871,71.336) 50.871,71.336 50.871,74.382 cw(c51.625,74.382) 50.929,74.67 50.989,74.817 cw(c51.686,74.529) 51.154,75.063 51.264,75.174 cw(c51.799,74.641) 51.509,75.338 51.657,75.399 cw(c51.946,74.702) 51.677,75.407 S20.1@51.925,75.502
NetD21_2: D21.2 S21.1 | length 7.5
  Bottom Layer w0.254: D21.2@73,69.05 73,71.775 cw(c75.54,71.775) 73.744,73.571 74.428,74.256 ccw(c73.719,74.961) 74.663,74.63 cw(c75.375,74.382) 74.678,74.67 74.739,74.817 cw(c75.436,74.529) 74.904,75.063 75.014,75.174 cw(c75.548,74.641) 75.259,75.338 75.407,75.399 cw(c75.695,74.702) 75.426,75.407 S21.1@75.675,75.502
NetD22_2: D22.2 S22.1 | length 7.6
  Bottom Layer w0.254: D22.2@92,69.05 93.329,70.379 ccw(c92.621,71.085) 93.621,71.085 93.621,74.382 cw(c94.375,74.382) 93.678,74.67 93.739,74.817 cw(c94.436,74.529) 93.904,75.063 94.014,75.174 cw(c94.548,74.641) 94.259,75.338 94.407,75.399 cw(c94.695,74.702) 94.426,75.407 S22.1@94.674,75.502
NetD23_2: D23.2 S23.1 | length 7.7
  Bottom Layer w0.254: D23.2@111,69 112.329,70.329 ccw(c111.621,71.035) 112.621,71.035 112.621,74.382 cw(c113.375,74.382) 112.678,74.67 112.739,74.817 cw(c113.436,74.529) 112.904,75.063 113.014,75.174 cw(c113.548,74.641) 113.259,75.338 113.407,75.399 cw(c113.695,74.702) 113.426,75.407 S23.1@113.674,75.502
NetD24_2: D24.2 S24.1 | length 7.6
  Bottom Layer w0.254: D24.2@130,69.05 131.329,70.379 ccw(c130.621,71.085) 131.621,71.085 131.621,74.382 cw(c132.375,74.382) 131.678,74.67 131.739,74.817 cw(c132.436,74.529) 131.904,75.063 132.014,75.174 cw(c132.548,74.641) 132.259,75.338 132.407,75.399 cw(c132.695,74.702) 132.426,75.407 S24.1@132.675,75.502
NetD25_2: D25.2 S25.1 | length 7.6
  Bottom Layer w0.254: D25.2@149,69.05 150.329,70.379 ccw(c149.621,71.085) 150.621,71.085 150.621,74.382 cw(c151.375,74.382) 150.678,74.67 150.739,74.817 cw(c151.436,74.529) 150.904,75.063 151.014,75.174 cw(c151.548,74.641) 151.259,75.338 151.407,75.399 cw(c151.695,74.702) 151.426,75.407 S25.1@151.675,75.502
NetD26_2: D26.2 S26.1 | length 7.6
  Bottom Layer w0.254: D26.2@168,69.05 169.329,70.379 ccw(c168.621,71.085) 169.621,71.085 169.621,74.382 cw(c170.375,74.382) 169.678,74.67 169.739,74.817 cw(c170.436,74.529) 169.904,75.063 170.014,75.174 cw(c170.548,74.641) 170.259,75.338 170.407,75.399 cw(c170.695,74.702) 170.426,75.407 S26.1@170.674,75.502
NetD27_2: D27.2 S27.1 | length 7.5
  Bottom Layer w0.254: D27.2@187,69.101 187,71.775 cw(c189.54,71.775) 187.744,73.571 188.428,74.256 ccw(c187.719,74.961) 188.663,74.63 cw(c189.375,74.382) 188.678,74.67 188.739,74.817 cw(c189.436,74.529) 188.904,75.063 189.014,75.174 cw(c189.548,74.641) 189.259,75.338 189.407,75.399 cw(c189.695,74.702) 189.426,75.407 S27.1@189.675,75.502
NetD28_2: D28.2 S28.1 | length 7.6
  Bottom Layer w0.254: D28.2@206,69.05 207.329,70.379 ccw(c206.621,71.085) 207.621,71.085 207.621,74.382 cw(c208.375,74.382) 207.678,74.67 207.739,74.817 cw(c208.436,74.529) 207.904,75.063 208.014,75.174 cw(c208.548,74.641) 208.259,75.338 208.407,75.399 cw(c208.695,74.702) 208.426,75.407 S28.1@208.675,75.502
NetD29_2: D29.2 S29.1 | length 7.6
  Bottom Layer w0.254: D29.2@225,69.05 226.329,70.379 ccw(c225.621,71.085) 226.621,71.085 226.621,74.382 cw(c227.375,74.382) 226.678,74.67 226.739,74.817 cw(c227.436,74.529) 226.904,75.063 227.014,75.174 cw(c227.548,74.641) 227.259,75.338 227.407,75.399 cw(c227.695,74.702) 227.426,75.407 S29.1@227.674,75.502
NetD30_2: D30.2 S30.1 | length 7.6
  Bottom Layer w0.254: D30.2@244,69.05 245.329,70.379 ccw(c244.621,71.085) 245.621,71.085 245.621,74.382 cw(c246.375,74.382) 245.678,74.67 245.739,74.817 cw(c246.436,74.529) 245.904,75.063 246.014,75.174 cw(c246.548,74.641) 246.259,75.338 246.407,75.399 cw(c246.695,74.702) 246.426,75.407 S30.1@246.675,75.502
NetD31_2: D31.2 S31.1 | length 7.5
  Bottom Layer w0.254: D31.2@263,69.05 263,71.775 cw(c265.54,71.775) 263.744,73.571 264.428,74.256 ccw(c263.719,74.961) 264.663,74.63 cw(c265.375,74.382) 264.678,74.67 264.739,74.817 cw(c265.436,74.529) 264.904,75.063 265.014,75.174 cw(c265.548,74.641) 265.259,75.338 265.407,75.399 cw(c265.695,74.702) 265.426,75.407 S31.1@265.675,75.502
NetD32_2: D32.2 S32.1 | length 7.6
  Bottom Layer w0.254: D32.2@282,69 282,71.775 cw(c284.54,71.775) 282.744,73.571 283.428,74.256 ccw(c282.719,74.961) 283.663,74.63 cw(c284.375,74.382) 283.678,74.67 283.739,74.817 cw(c284.436,74.529) 283.904,75.063 284.014,75.174 cw(c284.548,74.641) 284.259,75.338 284.407,75.399 cw(c284.695,74.702) 284.426,75.407 S32.1@284.674,75.502
NetD33_2: D33.2 S33.1 | length 8
  Bottom Layer w0.254: D33.2@305,69 307.079,71.079 ccw(c306.371,71.785) 307.371,71.785 307.371,74.382 cw(c308.125,74.382) 307.429,74.67 307.489,74.817 cw(c308.186,74.529) 307.654,75.063 307.764,75.174 cw(c308.299,74.641) 308.009,75.338 308.157,75.399 cw(c308.446,74.702) 308.177,75.407 S33.1@308.425,75.502
NetD34_2: D34.2 S34.1 | length 7.7
  Bottom Layer w0.254: D34.2@325.6,72.701 329.373,72.701 S34.1@332.175,75.502
NetD35_2: D35.2 S35.1 | length 7.5
  Bottom Layer w0.254: D35.2@2,50.05 3.079,51.129 ccw(c2.371,51.835) 3.371,51.835 3.371,55.382 cw(c4.125,55.382) 3.428,55.67 3.489,55.817 cw(c4.186,55.529) 3.654,56.063 3.764,56.174 cw(c4.298,55.641) 4.009,56.338 4.157,56.399 cw(c4.445,55.702) 4.176,56.407 S35.1@4.425,56.502
NetD36_2: D36.2 S36.1 | length 7.5
  Bottom Layer w0.254: D36.2@21,50.05 22.079,51.129 ccw(c21.371,51.835) 22.371,51.835 22.371,55.382 cw(c23.125,55.382) 22.428,55.67 22.489,55.817 cw(c23.186,55.529) 22.654,56.063 22.764,56.174 cw(c23.298,55.641) 23.009,56.338 23.157,56.399 cw(c23.445,55.702) 23.176,56.407 S36.1@23.425,56.502
NetD37_2: D37.2 S37.1 | length 5.9
  Bottom Layer w0.254: D37.2@51,52.05 52.954,54.004 ccw(c52.246,54.711) 53.246,54.711 53.246,55.382 cw(c54,55.382) 53.304,55.67 53.364,55.817 cw(c54.061,55.529) 53.529,56.063 53.639,56.174 cw(c54.174,55.641) 53.884,56.338 54.032,56.399 cw(c54.321,55.702) 54.052,56.407 S37.1@54.3,56.502
NetD38_2: D38.2 S38.1 | length 5.8
  Bottom Layer w0.254: D38.2@77,52.05 cw(c79.48,52.05) 77.726,53.804 79.178,55.256 ccw(c78.469,55.961) 79.413,55.63 cw(c80.125,55.382) 79.428,55.67 79.489,55.817 cw(c80.186,55.529) 79.654,56.063 79.764,56.174 cw(c80.298,55.641) 80.009,56.338 80.157,56.399 cw(c80.445,55.702) 80.176,56.407 S38.1@80.425,56.502
NetD39_2: D39.2 S39.1 | length 7.5
  Bottom Layer w0.254: D39.2@97,50.05 98.079,51.129 ccw(c97.371,51.835) 98.371,51.835 98.371,55.382 cw(c99.125,55.382) 98.428,55.67 98.489,55.817 cw(c99.186,55.529) 98.654,56.063 98.764,56.174 cw(c99.298,55.641) 99.009,56.338 99.157,56.399 cw(c99.445,55.702) 99.176,56.407 S39.1@99.424,56.502
NetD40_2: D40.2 S40.1 | length 7.5
  Bottom Layer w0.254: D40.2@116,50.05 117.079,51.129 ccw(c116.371,51.835) 117.371,51.835 117.371,55.382 cw(c118.125,55.382) 117.428,55.67 117.489,55.817 cw(c118.186,55.529) 117.654,56.063 117.764,56.174 cw(c118.298,55.641) 118.009,56.338 118.157,56.399 cw(c118.445,55.702) 118.176,56.407 S40.1@118.425,56.502
NetD41_2: D41.2 S41.1 | length 7.5
  Bottom Layer w0.254: D41.2@135,50.05 136.079,51.129 ccw(c135.371,51.835) 136.371,51.835 136.371,55.382 cw(c137.125,55.382) 136.428,55.67 136.489,55.817 cw(c137.186,55.529) 136.654,56.063 136.764,56.174 cw(c137.298,55.641) 137.009,56.338 137.157,56.399 cw(c137.445,55.702) 137.176,56.407 S41.1@137.425,56.502